# Altium PCB POWER_SUPPLY_220V.PcbDoc
Units mm, origin at the board's own origin, x right, y up, seen from the top; angles counter-clockwise.
Board outline 82.83 x 55 mm, 2 copper layers (Top Layer, Bottom Layer), stack 1.071 mm thick; 81 components, 39 nets, 176 pads, 35 vias.
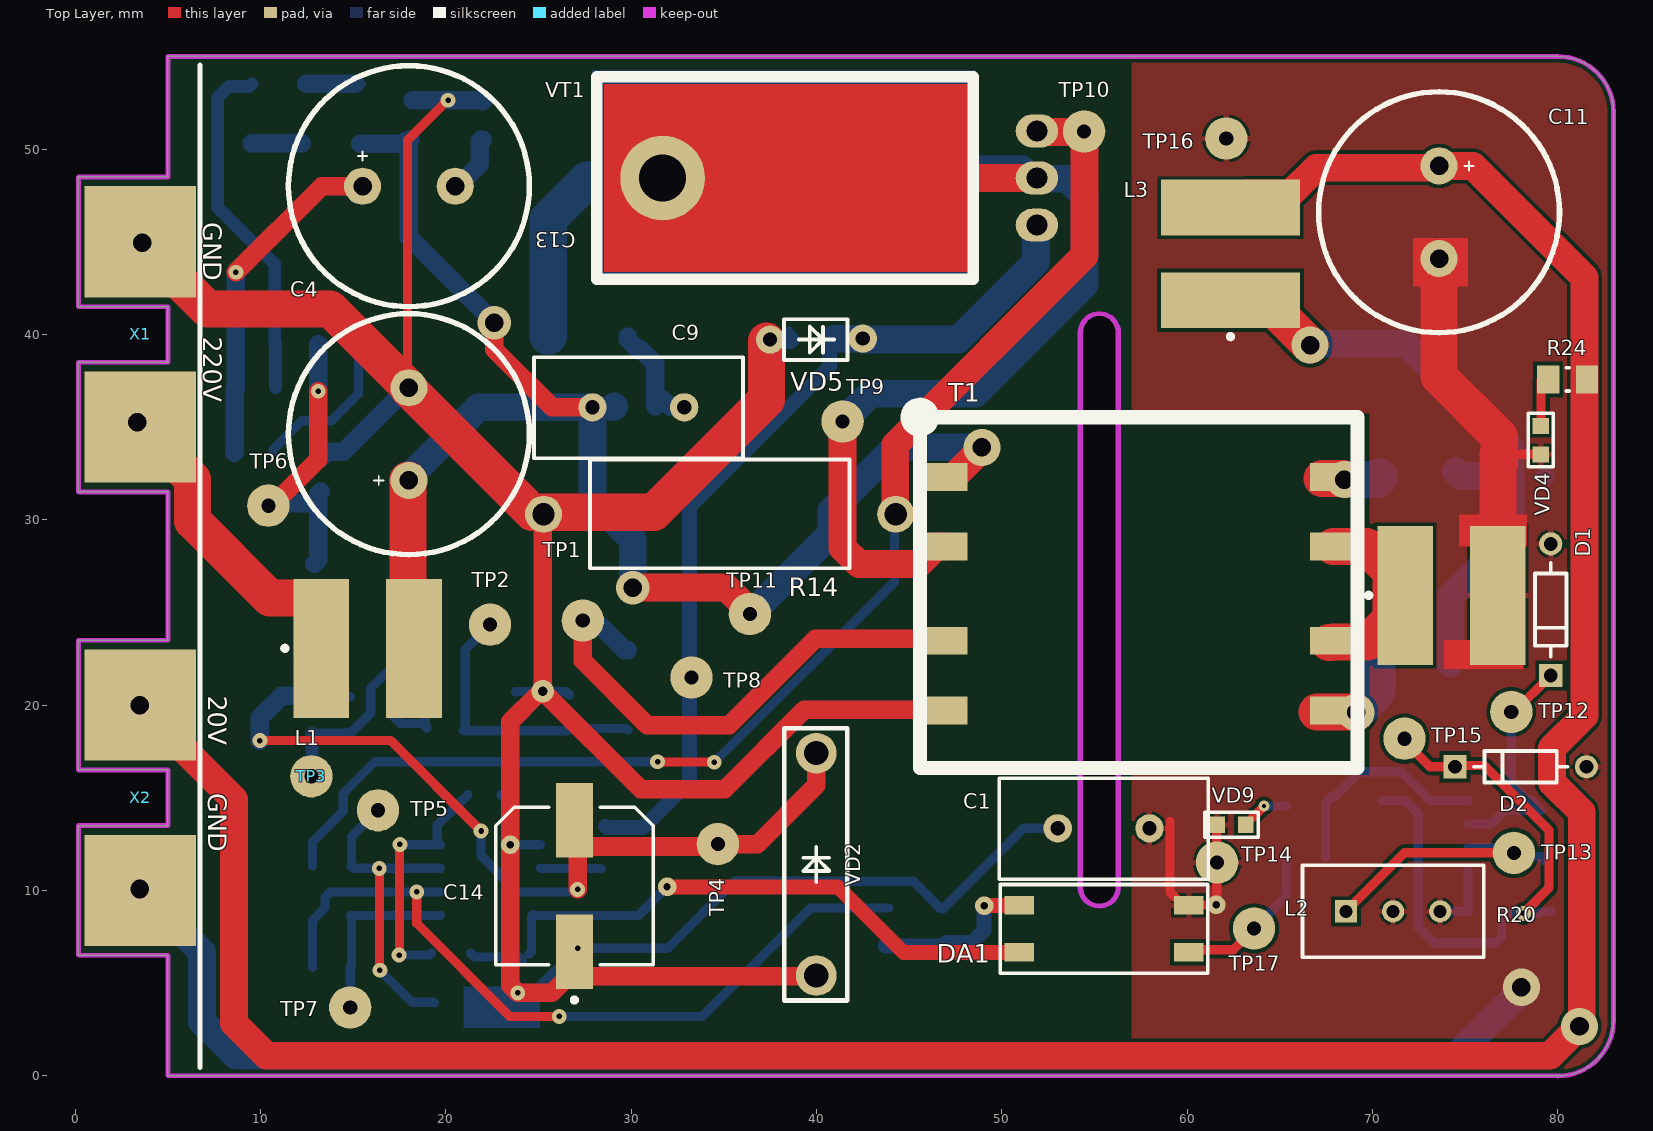
[diagram p0: Top Layer view]
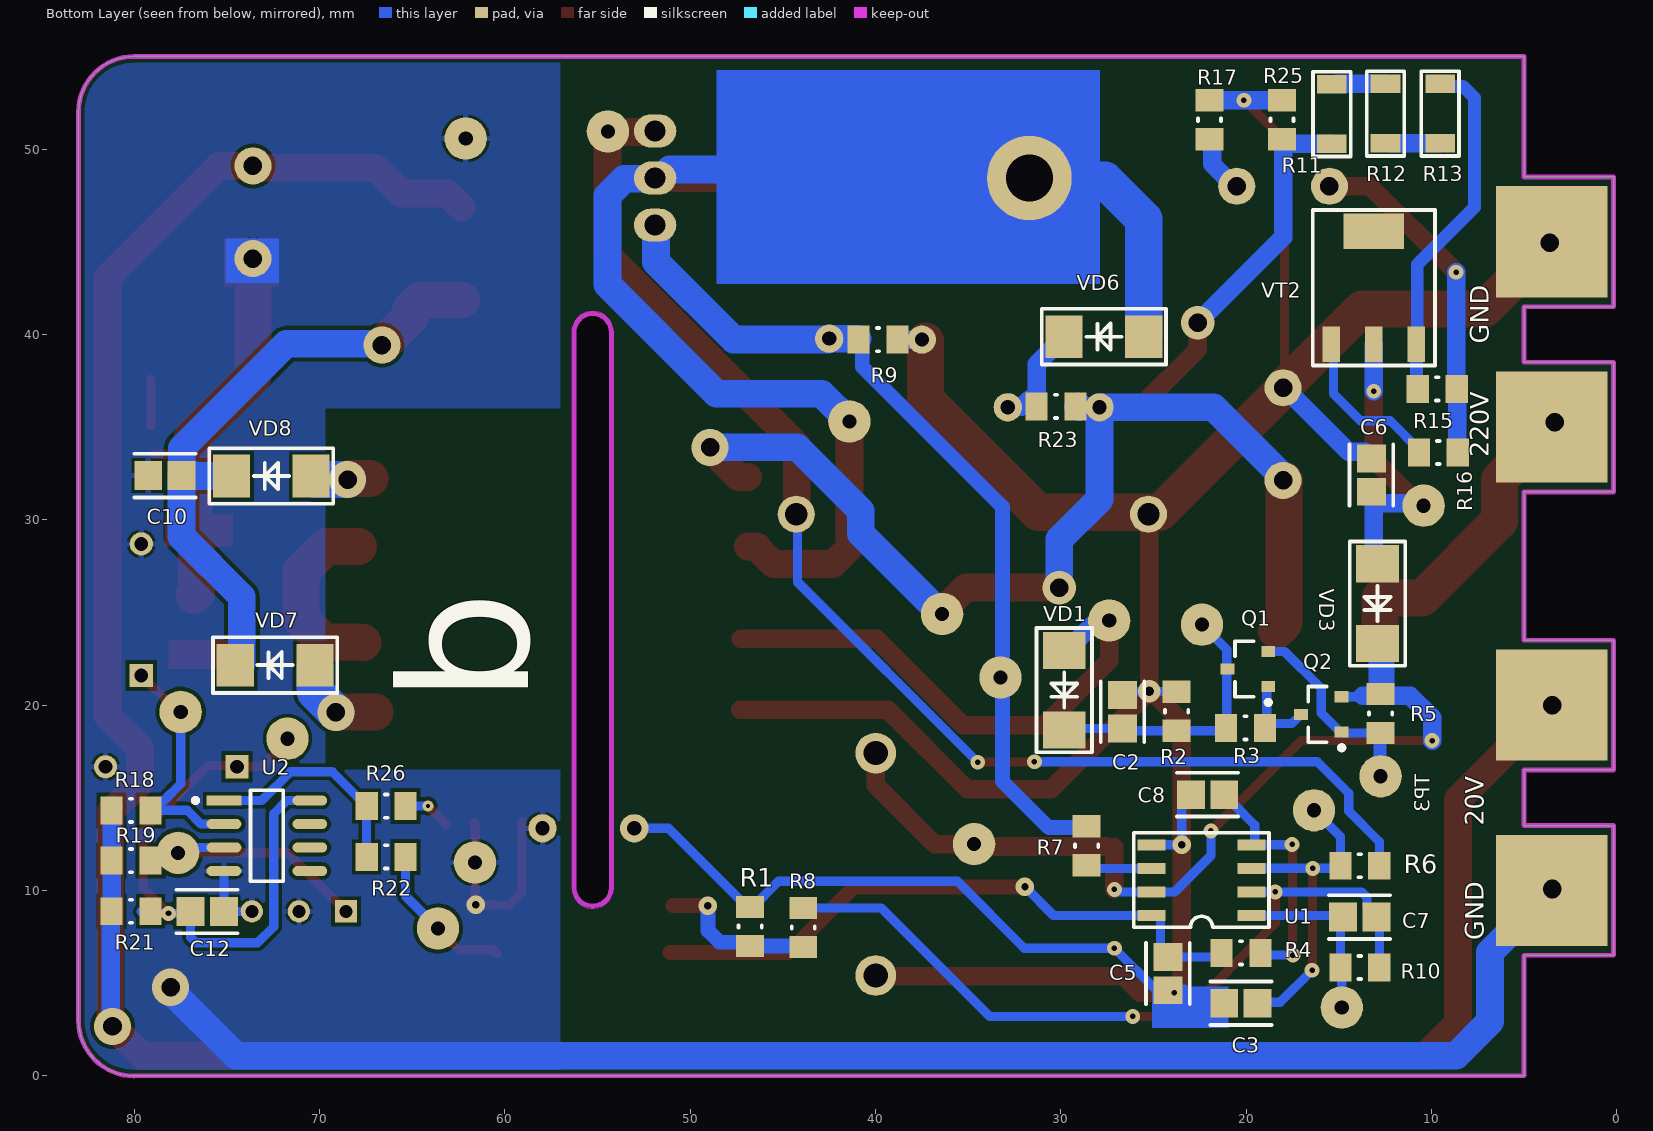
[diagram p1: Bottom Layer view, seen from below]
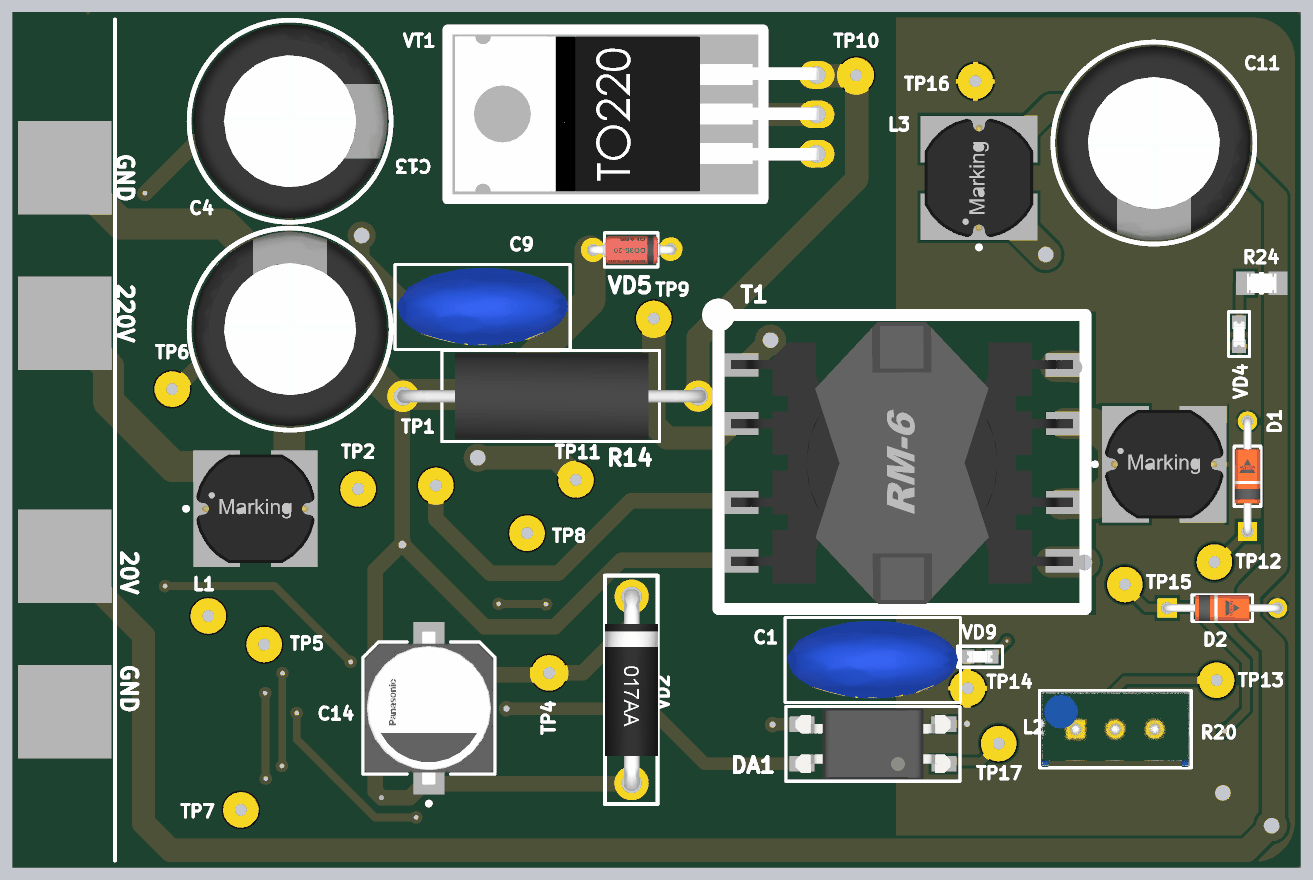
[diagram p2: 3D render of the assembled board from above, using the file's embedded part models]
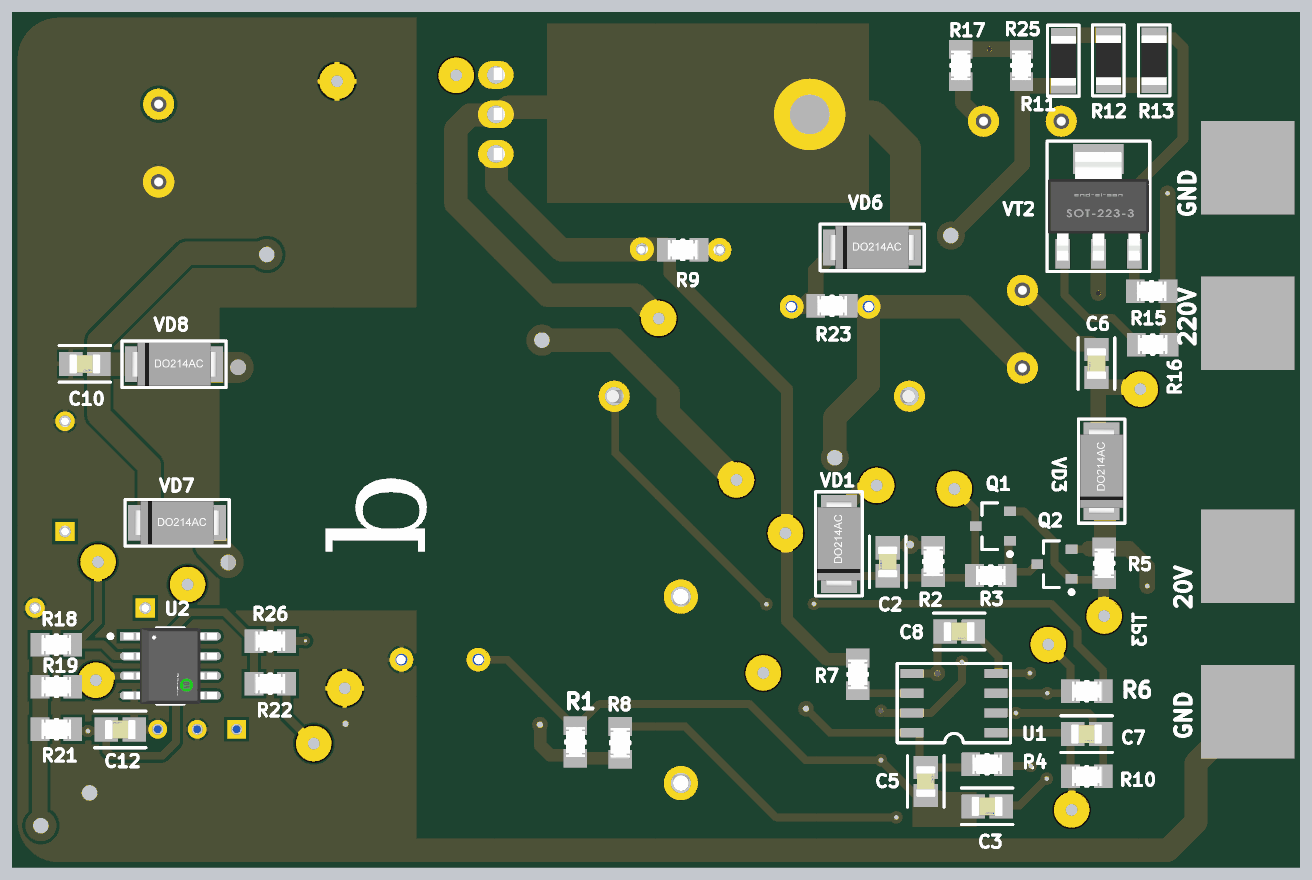
[diagram p3: 3D render of the assembled board from below, using the file's embedded part models]

## Layer stack, top to bottom
Top Solder: solder mask 0.0102, Solder Resist, Dk 3.5
Top Layer: signal copper 0.0356
Dielectric 1: dielectric 1, FR-4, Dk 4.8
Bottom Layer: signal copper 0.0356
Bottom Solder: solder mask 0.0102, Solder Resist, Dk 3.5

## Board outline
0.17,6.5 5,6.5 5,0 6.283,0 6.299,0 80.009,0 80,0 ccw(c80,3) 83,3 83,51.968 83,52 ccw(c80,52) 80,55 5,55 5,48.5 0.17,48.5 0.17,41.5 5,41.5 5,38.5 0.17,38.5 0.17,31.5 5,31.5 5,23.5 0.17,23.5 0.17,16.5 5,16.5 5,13.5 0.17,13.5
cut-out: 54.128,10.177 54.128,26.165 cw(c54.253,26.192) 54.125,26.192 54.125,40.092 cw(c54.253,40.092) 54.128,40.119 cw(c55.255,40.113) 56.383,40.113 cw(c56.256,40.113) 56.382,40.098 56.382,10.249 cw(c56.255,10.249) 56.374,10.206 cw(c56.255,10.163) 56.382,10.163 cw(c55.255,10.163) 54.128,10.117 cw(c55.256,10.163) 54.127,10.163 cw(c54.255,10.163)

## Design rules (kind name [scope] priority, off if disabled: settings)
Clearance [All] p1: gap=0.2 ignorepadtopadclearanceinfootprint=FALSE
DiffPairsRouting [All] p1: maxlimit=0.254 minlimit=0.254 mostfreqgap=0.254 substack1={A23D90DD-733B-49C5-8102-56B3D284E3A0} toplayer_{a23d90dd-733b-49c5-8102-56b3d284e3a0}_minwidth=0.381 toplayer_{a23d90dd-733b-49c5-8102-56b3d284e3a0}_maxwidth=0.381 toplayer_{a23d90dd-733b-49c5-8102-56b3d284e3a0}_prefwidth=0.381 bottomlayer_{a23d90dd-733b-49c5-8102-56b3d284e3a0}_minwidth=0.381 bottomlayer_{a23d90dd-733b-49c5-8102-56b3d284e3a0}_maxwidth=0.381 bottomlayer_{a23d90dd-733b-49c5-8102-56b3d284e3a0}_prefwidth=0.381 toplayer_minwidth=0.381 toplayer_maxwidth=0.381 toplayer_prefwidth=0.381 bottomlayer_minwidth=0.381 bottomlayer_maxwidth=0.381 bottomlayer_prefwidth=0.381 substack2={0B3DB408-A969-412D-8C07-BA8AE97219D9} toplayer_{0b3db408-a969-412d-8c07-ba8ae97219d9}_minwidth=0.381 toplayer_{0b3db408-a969-412d-8c07-ba8ae97219d9}_maxwidth=0.381 toplayer_{0b3db408-a969-412d-8c07-ba8ae97219d9}_prefwidth=0.381 bottomlayer_{0b3db408-a969-412d-8c07-ba8ae97219d9}_minwidth=0.381 bottomlayer_{0b3db408-a969-412d-8c07-ba8ae97219d9}_maxwidth=0.381 bottomlayer_{0b3db408-a969-412d-8c07-ba8ae97219d9}_prefwidth=0.381 substack3={378827E6-B38F-4565-9D2F-710D8D441C30} toplayer_{378827e6-b38f-4565-9d2f-710d8d441c30}_minwidth=0.381 toplayer_{378827e6-b38f-4565-9d2f-710d8d441c30}_maxwidth=0.381 toplayer_{378827e6-b38f-4565-9d2f-710d8d441c30}_prefwidth=0.381 bottomlayer_{378827e6-b38f-4565-9d2f-710d8d441c30}_minwidth=0.381 bottomlayer_{378827e6-b38f-4565-9d2f-710d8d441c30}_maxwidth=0.381 bottomlayer_{378827e6-b38f-4565-9d2f-710d8d441c30}_prefwidth=0.381 substack4={1E65D4A7-266F-4925-B814-5E9C4A66F8EE} toplayer_{1e65d4a7-266f-4925-b814-5e9c4a66f8ee}_minwidth=0.381 toplayer_{1e65d4a7-266f-4925-b814-5e9c4a66f8ee}_maxwidth=0.381 toplayer_{1e65d4a7-266f-4925-b814-5e9c4a66f8ee}_prefwidth=0.381 bottomlayer_{1e65d4a7-266f-4925-b814-5e9c4a66f8ee}_minwidth=0.381 bottomlayer_{1e65d4a7-266f-4925-b814-5e9c4a66f8ee}_maxwidth=0.381 bottomlayer_{1e65d4a7-266f-4925-b814-5e9c4a66f8ee}_prefwidth=0.381 substack5={93C5D03E-862D-45F8-9871-970EEA9B3F11} toplayer_{93c5d03e-862d-45f8-9871-970eea9b3f11}_minwidth=0.381 toplayer_{93c5d03e-862d-45f8-9871-970eea9b3f11}_maxwidth=0.381 toplayer_{93c5d03e-862d-45f8-9871-970eea9b3f11}_prefwidth=0.381 bottomlayer_{93c5d03e-862d-45f8-9871-970eea9b3f11}_minwidth=0.381 bottomlayer_{93c5d03e-862d-45f8-9871-970eea9b3f11}_maxwidth=0.381 bottomlayer_{93c5d03e-862d-45f8-9871-970eea9b3f11}_prefwidth=0.381 maxuncoupledlength=12.7
HoleSize [All] p1: absolutevalues=TRUE maxlimit=6 minlimit=0.01 maxpercent=80.000 minpercent=20.000
HoleToHoleClearance [All] p1: gap=0.1 allowstackedmicrovias=TRUE
MinimumSolderMaskSliver [All] p1: minsoldermaskwidth=0.1
PlaneConnect [All] p1: pad.planeconnectstyle=Relief pad.reliefexpansion=0.5 pad.reliefentries=4 pad.reliefconductorwidth=0.5 pad.reliefairgap=0.15 via.planeconnectstyle=Direct via.reliefexpansion=0.5 via.reliefentries=4 via.reliefconductorwidth=0.5 via.reliefairgap=0.15
PolygonConnect VQFN20 [HasFootprint('VQFN20')] p1: connectstyle=Direct reliefconductorwidth=0.254 reliefentries=4 polygonreliefangle="90 Angle" airgapwidth=0.254
PolygonConnect [All] p2: thpad.connectstyle=Relief thpad.reliefconductorwidth=0.3 thpad.reliefentries=4 thpad.polygonreliefangle="90 Angle" thpad.airgapwidth=0.15 smdpad.connectstyle=Relief smdpad.reliefconductorwidth=0.3 smdpad.reliefentries=4 smdpad.polygonreliefangle="90 Angle" smdpad.airgapwidth=0.15 via.connectstyle=Direct via.reliefconductorwidth=0.3 via.reliefentries=4 via.polygonreliefangle="90 Angle" via.airgapwidth=0.15
RoutingVias [All] p1: holewidth=0.1 width=0.1 viastyle="Through Hole" minholewidth=0 minwidth=0.3 maxholewidth=2 maxwidth=4
ShortCircuit [All] p1: allowed=TRUE
SilkToSolderMaskClearance [IsPad] p1: minsilkscreentomaskgap=0.1 clearancetoexposedcopper=TRUE
SolderMaskExpansion SolderMaskExpansion_Via [IsVia] p1: expansion=0.102 istentingtop=TRUE
SolderMaskExpansion [All] p2: expansion=0.01 istentingtop=FALSE
UnRoutedNet [All] p1: checkbadconnections=TRUE
Width [All] p1: maxlimit=5 minlimit=0.2 preferedwidth=0.3 substack1={A23D90DD-733B-49C5-8102-56B3D284E3A0} substack2={0B3DB408-A969-412D-8C07-BA8AE97219D9} substack3={378827E6-B38F-4565-9D2F-710D8D441C30} substack4={1E65D4A7-266F-4925-B814-5E9C4A66F8EE} substack5={93C5D03E-862D-45F8-9871-970EEA9B3F11}
22 further rules are at their usual default settings.

## Components (designator, comment, footprint, x,y, rotation, side; value= is the part's Value field where it differs from the comment)
C1 "CAP-V" CAP-V 55.485,13.352 r180 top locked
C2 "50V 1uF" FP-C0805C-DN-IPC_A 26.668,19.641 r90 bottom value="0.22 μF"
C3 "50V 47pF" FP-C0805C-DN-IPC_A 20.271,3.912 r0 bottom value="0.22 μF"
C4 "25V 2200uF" CAPPOL-12x25 18,34.62 r90 top locked
C5 "50V 10nF" FP-C0805C-DN-IPC_A 24.218,5.514 r270 bottom value="0.22 μF"
C6 "50V 1uF" FP-C0805C-DN-IPC_A 13.233,32.41 r90 bottom value="0.22 μF"
C7 "50V 10nF" FP-C0805C-DN-IPC_A 13.868,8.562 r0 bottom value="0.22 μF"
C8 "50V 1uF" FP-C0805C-DN-IPC_A 22.073,15.164 r0 bottom value="0.22 μF"
C9 "CAP-V" CAP-V 30.378,36.068 r180 top
C10 "50V 1uF" FP-C0805C-DN-IPC_A 78.334,32.385 r0 bottom value="0.22 μF"
C11 "25V 2200uF" CAPPOL-12x25 73.584,46.594 r270 top locked
C12 "50V 1uF" FP-C0805C-DN-IPC_A 76.054,8.86 r180 bottom value="0.22 μF"
C13 "450V 10uF" CAPPOL-12x25 18,48 r0 top locked
C14 "EEE-1HA101UP" FP-SF-MFG 26.931,10.238 r90 top value=100uF
D1 "BZX55B5V2-TAP" FP-SB-V-3906_04-031_4-MFG 79.61,25.146 r90 top
D2 "BZX55B8V2-TAP" FP-SB-V-3906_04-031_4-MFG 77.988,16.673 r0 top locked
DA1 "PC817" 4-SMD 55.508,7.925 r180 top locked
L1 "470µH, 0.36A" WE-PD2_7850 15.773,23.063 r0 top
L2 "470µH, 0.36A" WE-PD2_7850 74.256,25.921 r0 top locked
L3 "470µH, 0.36A" WE-PD2_7850 62.332,44.348 r90 top
Q1 "BC847C" INF-SOT23_L 19.9,21.943 r0 bottom
Q2 "BC847C" INF-SOT23_L 15.937,19.499 r0 bottom
R1 "1k" Vishay_CRCW0805-e3_IPC_A 46.761,8.052 r270 bottom
R2 "1k" Vishay_CRCW0805-e3_IPC_A 23.747,19.67 r270 bottom
R3 "1k" Vishay_CRCW0805-e3_IPC_A 20.027,18.765 r180 bottom
R4 "1K" Vishay_CRCW0805-e3_IPC_A 20.271,6.625 r180 bottom
R5 "20Ω" Vishay_CRCW0805-e3_IPC_A 12.737,19.546 r90 bottom
R6 "1K" Vishay_CRCW0805-e3_IPC_A 13.855,11.33 r180 bottom
R7 "22" Vishay_CRCW0805-e3_IPC_A 28.602,12.408 r90 bottom
R8 "3,9K" Vishay_CRCW0805-e3_IPC_A 43.891,8.001 r270 bottom
R9 "10K" Vishay_CRCW0805-e3_IPC_A 39.858,39.721 r180 bottom
R10 "100K" Vishay_CRCW0805-e3_IPC_A 13.855,5.842 r180 bottom
R11 "RES-CONST" RES-1206 15.367,51.892 r270 bottom
R12 "RES-CONST" RES-1206 12.471,51.918 r90 bottom
R13 "RES-CONST" RES-1206 9.525,51.918 r270 bottom
R14 "RES-CONST" RES-2W 34.768,30.302 r0 top locked
R15 "10k" Vishay_CRCW0805-e3_IPC_A 9.69,37.059 r0 bottom
R16 "1k" Vishay_CRCW0805-e3_IPC_A 9.617,33.63 r0 bottom
R17 "200Ω" Vishay_CRCW0805-e3_IPC_A 21.971,51.587 r90 bottom
R18 "1k" Vishay_CRCW0805-e3_IPC_A 80.162,14.321 r0 bottom
R19 "1k" Vishay_CRCW0805-e3_IPC_A 80.162,11.608 r0 bottom
R20 "3296W-1-202LF" Bourns_3296W_MFG 71.103,8.875 r270 top
R21 "1k" Vishay_CRCW0805-e3_IPC_A 80.162,8.875 r0 bottom
R22 "1k" Vishay_CRCW0805-e3_IPC_A 66.402,11.806 r0 bottom
R23 "22K" Vishay_CRCW0805-e3_IPC_A 30.251,36.114 r0 bottom
R24 "2.7K" Vishay_CRCW0805-e3_IPC_A 80.518,37.571 r180 top
R25 "1M" Vishay_CRCW0805-e3_IPC_A 18.059,51.587 r90 bottom
R26 "1k" Vishay_CRCW0805-e3_IPC_A 66.402,14.549 r180 bottom
T1 "TRANS_RM6" TRANS_RM6 57.379,26.01 r0 top locked value=XX
TP1 "Test_Point_PCB" Test_Point#1 27.381,24.562 r0 top
TP2 "Test_Point_PCB" Test_Point#1 22.377,24.339 r180 top
TP3 "Test_Point_PCB" Test_Point#1 12.737,16.16 r180 top
TP4 "Test_Point_PCB" Test_Point#1 34.671,12.497 r180 top
TP5 "Test_Point_PCB" Test_Point#1 16.332,14.326 r0 top
TP6 "Test_Point_PCB" Test_Point#1 10.414,30.759 r0 top
TP7 "Test_Point_PCB" Test_Point#1 14.834,3.683 r0 top
TP8 "Test_Point_PCB" Test_Point#1 33.249,21.488 r0 top
TP9 "Test_Point_PCB" Test_Point#1 41.402,35.306 r0 top
TP10 "Test_Point_PCB" Test_Point#1 54.432,50.952 r0 top
TP11 "Test_Point_PCB" Test_Point#1 36.398,24.913 r0 top
TP12 "Test_Point_PCB" Test_Point#1 77.482,19.634 r0 top
TP13 "Test_Point_PCB" Test_Point#1 77.622,12.027 r0 top
TP14 "Test_Point_PCB" Test_Point#2 61.607,11.506 r0 top
TP15 "Test_Point_PCB" Test_Point#1 71.72,18.186 r0 top
TP16 "Test_Point_PCB" Test_Point#2 62.103,50.571 r0 top
TP17 "Test_Point_PCB" Test_Point#1 63.602,7.95 r0 top locked
U1 "UC3842B" SOIC8-150 22.406,10.555 r0 bottom
U2 "LM358DR2G" FP-751-07-IPC_C 72.833,12.949 r180 bottom
VD1 "DIODE" "DO-214AC, SMA" 29.806,20.804 r90 bottom
VD2 "ZENER" 017AA 39.98,11.408 r270 top locked
VD3 "DIODE" "DO-214AC, SMA" 12.903,25.476 r90 bottom
VD4 "LED" LED-0603 79.07,34.29 r90 top
VD5 "15V" DO-35 39.989,39.721 r180 top
VD6 "DIODE" "DO-214AC, SMA" 27.669,39.879 r180 bottom
VD7 "DIODE" "DO-214AC, SMA" 72.391,22.158 r180 bottom
VD8 "DIODE" "DO-214AC, SMA" 72.593,32.36 r180 bottom
VD9 "LED" LED-0603 62.382,13.541 r0 top
VT1 "MOSFET-N-GDS" TO-220(bend2) 40.707,48.184 r90 top locked value="200V 18A"
VT2 "BIPOLAR-PNP-BCE" SOT-223-3 13.106,42.52 r180 bottom
X1 "CONN-2-PIN" CONN 3.5,40 r270 top locked
X2 "CONN-2-PIN" CONN 3.5,15 r270 top locked

## Footprints (in the part's own frame and the unit in brackets; to place one, negate y for a bottom-side part, rotate by r counter-clockwise, add the part's x,y. Pads: shape width x height; smd on the part's side, far side on the other; paste and mask are expansions set on the pad)
4-SMD [mm]
  rect 1.6x1 smd: 1(-4.575,1.27) 2(-4.575,-1.27) 3(4.575,-1.27) 4(4.575,1.27)
  silkscreen extent -5.6,-2.4 5.6,2.4, body extent -5,-2.29 5,2.29, height 3.85
017AA [mm]
  round 2.2 hole 1.3: 1(-6,0) 2(6,0)
  silkscreen extent -7.35,-1.73 7.35,1.68, body extent -6.5,-1.7 6.5,1.7, height 4.4
Bourns_3296W_MFG [mm]
  rect 1.2x1.2 hole 0.7 paste-1000 mask+0: 1(0.005,-2.54)
  round 1.2 hole 0.7 paste-1000 mask+0: 2(0.005,0) 3(0.005,2.54)
  silkscreen extent -2.48,-4.89 2.48,4.89, body extent -2.58,-4.99 2.58,4.99, height 0.25
CAP-V [mil]
  round 60 hole 30: 1(-97.44,0) 2(97.44,0)
  silkscreen extent -222,-106 221,108, body extent -216,-98 216,98, height 610
CAPPOL-12x25 [mm]
  round 2 hole 1: 1(-2.5,0) 2(2.5,0)
  silkscreen extent -6.5,-6.5 6.5,6.5, body extent -6.25,-6.25 6.25,6.25, height 25
CONN [mm]
  rect 6x6 smd: 1(-5,0) 2(5,0)
  rect 6x6 smd far side: 1(-5,0) 2(5,0)
DO-35 [mil]
  round 60 hole 30: 1(-98.43,-1.97) 2(98.43,0)
  silkscreen extent -66,-43 69,43, body extent -111,-35 111,35, height 72
"DO-214AC, SMA" [mm]
  rect 2x2.3 smd: 1(-2.15,0) 2(2.15,0)
  silkscreen extent -3.35,-1.5 3.35,1.5, body extent -2.74,-1.4 2.74,1.4, height 2.24
FP-751-07-IPC_C [mm]
  rect 1.874x0.543 smd paste+0 mask+0: 1(-2.316,1.905)
  rrect100% 1.874x0.543 smd paste+0 mask+0: 2(-2.316,0.635) 3(-2.316,-0.635) 4(-2.316,-1.905) 5(2.316,-1.905) 6(2.316,-0.635) 7(2.316,0.635) 8(2.316,1.905)
  silkscreen extent -3.98,-2.45 0.88,2.45, body extent -3,-2.45 3,2.45, height 1.75
FP-C0805C-DN-IPC_A [mm]
  rect 1.505x1.556 smd paste+0 mask+0: 1(-0.901,0) 2(0.901,0)
  silkscreen extent -1.65,-1.18 1.65,1.18, body extent -1,-0.63 1,0.63, height 0.88
FP-SB-V-3906_04-031_4-MFG [mm]
  rect 1.25x1.25 hole 0.75 paste-1000 mask+0: 1(-3.55,0)
  round 1.25 hole 0.75 paste-1000 mask+0: 2(3.55,0)
  silkscreen extent -2.52,-0.85 2.52,0.85, body extent -4.28,-0.95 4.28,0.95, height 0.25
FP-SF-MFG [mm]
  rect 4x2 smd paste+0 mask+0: 1(-3.55,0) 2(3.55,0)
  silkscreen extent -6.27,-4.25 4.25,4.25, body extent -5.8,-4.5 5.8,4.5, height 0.25
INF-SOT23_L [mm] "SOT23, 3-Leads, Body 2.9x1.3 mm, Pitch 0.95 mm, IPC High Density"
  rect 0.75x0.6 smd: 1(-1.1,0.95) 2(-1.1,-0.95) 3(1.1,0)
  silkscreen extent -1.22,-1.5 0.7,1.92, body extent -0.7,-1.5 0.7,1.5, height 1.1
LED-0603 [mm]
  rect 0.85x0.9 smd: 1(-0.775,0) 2(0.775,0)
  silkscreen extent -1.43,-0.67 1.45,0.67, body extent -0.83,-0.36 0.82,0.36, height 0.68
RES-2W [mm]
  round 2 hole 1.2: 1(-9.5,0) 2(9.5,0)
  silkscreen extent -7,-2.93 7,2.95, body extent -9.86,-2.79 10.01,2.79, height 5.59
RES-1206 [mm]
  rect 1x1.6 smd: 1(-1.6,0) 2(1.6,0)
  silkscreen extent -2.29,-1.02 2.29,1.02, body extent -1.6,-0.8 1.6,0.8, height 0.6
SOIC8-150 [mm]
  rect 1.5x0.6 smd: 1(-2.7,1.905) 2(-2.7,0.635) 3(-2.7,-0.635) 4(-2.7,-1.905) 5(2.7,-1.905) 6(2.7,-0.635) 7(2.7,0.635) 8(2.7,1.905)
  silkscreen extent -3.65,-2.55 3.65,2.55, body extent -3,-2.45 3,2.45, height 1.75
SOT-223-3 [mm]
  rect 0.95x1.9 smd: 1(-2.3,-3.05) 2(0,-3.05) 3(2.3,-3.05)
  rect 3.25x1.9 smd: 4(0,3.05)
  silkscreen extent -3.3,-4.2 3.3,4.2, body extent -3.25,-3.5 3.25,3.5, height 1.7
Test_Point#1 [mil]
  round 90 hole 30 paste+4 mask+4: 1(0,0)
Test_Point#2 [mil]
  round 90 hole 30 unplated paste+4 mask+4: 1(0,0)
TO-220(bend2) [mil]
  oval 70x90 hole 45: 1(-90,-440) 2(10,-440) 3(110,-440)
  round 180 hole 100: 2(10,355)
  Top Layer region: -190,-300 210,-300 210,480 -190,480
  Bottom Layer region: -215,-310 240,-310 240,505 -215,505
  silkscreen extent -205,-305 225,495, body extent -185,-446 208,476, height 179
TRANS_RM6 [mm]
  rect 2.5x1.5 smd: 1(-10.5,6.3) 2(-10.5,2.54) 3(-10.5,-2.54) 4(-10.5,-6.3) 5(10.5,-6.3) 6(10.5,-2.54) 7(10.5,2.54) 8(10.5,6.3)
  silkscreen extent -12.51,-9.4 11.81,10.22, body extent -11,-9.08 11,9.08, height 12.68
Vishay_CRCW0805-e3_IPC_A [mil]
  rect 47.5x59.38 smd paste+0 mask+0: 1(-41.37,0) 2(41.37,0)
  silkscreen extent -3,-25 3,25, body extent -39,-25 39,25, height 20
WE-PD2_7850 [mm] "SMD Power Inductor, 2-Leads, body 7.8x7mm"
  rect 3x7.5 smd: 1(-2.5,0) 2(2.5,0)
  silkscreen extent -4.59,-0.12 -4.34,0.12, body extent -3.81,-3.5 3.81,3.5, height 4.95

## Part data
C2 C3 C5 C6 C7 C8 C10 C12: library part CMP-1036-04552-2, "CAP CER 0.22UF 50V X7R 0805", Capacitance="0.22 μF", Manufacturer=KEMET, Manufacturer Part Number=C0805C224K5RACTU, Package=C0805C-DN, Temperature="-55°C to +125°C", Temperature Characteristic=X7R, Temperature Coefficient=30ppm/°C, Temperature Range High=+125°C, Temperature Range Low=-55°C, Tolerance=0.1, Voltage Rating="50 V", Automotive=No, Category=Cap, ComponentLink2Description=Datasheet, ComponentLink2URL=https://content.kemet.com/datasheets/KEM_C1003_C0G_SMD.pdf, Device Class L1="Passive Components", Device Class L2=Capacitors, Device Class L3="Ceramic Capacitors", Digikey Description="CAP CER 0.22UF 50V X7R 0805", Height=0.88mm, Ipc Land Pattern Name=CAPC200125X78, Lead Free=Yes, Material=Ceramic, Mouser Description="CAP CER 0.22UF 50V X7R 0805", Octopart=https://octopart.com/c0805c224k5ractu-kemet-144670, RoHS=TRUE
C4 C11 C13: library part CAP-POLAR
C14: library part CMP-05427-000015-1, "CAP ALUM 100UF 20% 50V SMD", Capacitance=100uF, Leakage Current=100uA, Manufacturer=Panasonic, Package=SF, Ripple Current=200mA, Temperature="-40°C to +85°C", Temperature Range High=+85°C, Temperature Range Low=-40°C, Tolerance=20%, Voltage=50V, Automotive=Yes, Automotive Grade="Grade 3", Category=Cap, ComponentLink2Description=Datasheet, ComponentLink2URL=https://industrial.panasonic.com/cdbs/www-data/pdf/RDE0000/ABA0000C1145.pdf, Device Class L1="Passive Components", Device Class L2=Capacitors, Device Class L3="Aluminum Electrolytic Capacitors", Digikey Description="CAP ALUM 100UF 20% 50V SMD", Dissipation Factor=0.12%, Height=10.5mm, Lead Free=Yes, Life=2000Hours, Manufacturer Part Number=EEE-1HA101UP, Material=Aluminum, Mouser Description="Cap Aluminum Lytic 100uF 50V 20% (8 X 10.2mm) SMD 200mA 2000h 85C Automotive T/R", Octopart=https://octopart.com/eee-1ha101up-panasonic-55396734, RoHS=TRUE, Voltage Rating=50V
D1 D2: library part CMP-02541-000026-1, "DIODE ZENER 8.2V 500MW DO35", Case/Package=DO-35, Max Operating Temperature=175°C, Max Power Dissipation=500mW, Max Reverse Leakage Current=100nA, Min Operating Temperature=-65°C, Package Quantity=30000, Test Current=5mA, Tolerance=2%, Zener Voltage=8.2V, Contact Plating=Tin, Element Configuration=Single, ESD Protection=No, Impedance=7R, Lead Free="Lead Free", Mount="Through Hole", Number of Pins=2, Packaging="Ammo Pack", Power Dissipation=500mW, Radiation Hardening=No, RoHS Compliant=Yes, Series="Automotive, AEC-Q101", Voltage Tolerance=2%
L1 L2 L3: library part 744775247, "WE-PD2 SMT Power Inductor, size 7850, 470µH, 0.36A, 1.96Ω", Case/Size Code=7850, DC Resistance=1.37Ω, DC Resistance Max=1.96Ω, Inductance=470µH, Manufacturer="Wurth Elektronik", Operating Temperature Max=125°C, Operating Temperature Min=-40°C, Rated Current=0.36A, Saturation Current=0.38A, Self Resonant Frequency=3.4MHz, Category="Unshielded Power Inductors", ComponentLink1Description="Website Link", ComponentLink1URL=https://www.we-online.com/redexpert/article/744775247?ad, ComponentLink2Description="Datasheet Link", ComponentLink2URL=https://www.we-online.com/redexpert/spec/744775247?ad, Height=4.95mm, Length=7.8mm, Manufacturer Part Number=744775247, Match Code=WE-PD2, Mount="Surface Mount", Packaging="Tape and Reel", Width=7mm
Q1 Q2: "NPN Silicon AF Transistor, 45 V VCEO, 100 mA IC, SOT23, Reel, Green", Manufacturer=Infineon, ComponentLink1Description="Manufacturer URL", ComponentLink1URL=http://www.infineon.com/, ComponentLink2Description=Datasheet, ComponentLink2URL=http://www.infineon.com/dgdl/bc847series_bc848series_bc849series_bc850series.pdf?folderId=db3a304314dca389011541d30fa21656&fileId=db3a304314dca389011541d4630a1657, ComponentLink3Description="Package Specification", ComponentLink3URL=http://www.infineon.com/dgdl/SOT23-Package_Overview.pdf?folderId=db3a30431936bc4b0119532290053c66&fileId=db3a30431936bc4b0119533468123c85, fT (typ)="250Â MHz", Green=TRUE, IBM (max)="200Â mA", IC (max)="100Â mA", ICBO (max)="15Â nA", ICM (max)="200Â mA", Mounting Technology="Surface Mount", PackageDescription="3-Pin Small Outline Transistor Package, 1.3 x 2.9 mm Body, 0.95 mm Pitch", PackageReference=SOT23, PackageVersion=Apr-08, Packing=Reel, PartNumber=BC847C, Polarity=NPN, Ptot (max)="330Â mW", VCBO (max)="50Â V", VCEO (max)="45Â V", VEBO (max)="6Â V"
R1 R2 R3 R5 R8 R10 R15 R16 R17 R18 R19 R21 R22 R23 R25 R26: library part CRCW08050000Z0EA
R4 R6 R7 R9 R24: library part CRCW08050000Z0EA, "100K"
T1: library part 4, Part Number=4, №=4
TP1 TP2 TP3 TP4 TP5 TP6 TP7 TP8 TP9 TP10 TP11 TP12 TP13 TP14 TP15 TP16 TP17: library part TP_PCB?, "Test_Point"
U2: library part CMP-1310-00291-2, "IC OPAMP GP 2 CIRCUIT 8SOIC", Case/Package=SOIC, Dual Supply Voltage=9V, Input Bias Current=250nA, Input Offset Voltage (Vos)=7mV, Max Dual Supply Voltage=16V, Max Operating Temperature=70°C, Max Supply Voltage=32V, Min Dual Supply Voltage=1.5V, Min Operating Temperature=0°C, Min Supply Voltage=3V, Nominal Supply Current=1.2mA, Operating Supply Current=1.5mA, Output Current=40mA, Package Quantity=2500, Power Supply Rejection Ratio (PSRR)=65dB, Voltage Gain=100dB, Bandwidth=1MHz, Common Mode Rejection Ratio=65dB, Contact Plating=Tin, Gain Bandwidth Product=1MHz, Halogen Free="Halogen Free", Height=1.5mm, Lead Free="Lead Free", Length=5mm, Number of Amplifiers=2, Number of Channels=2, Number of Circuits=2, Number of Elements=2, Number of Pins=8, Operating Supply Voltage=16V, Output Current per Channel=40mA, Packaging="Tape and Reel", Radiation Hardening=No, REACH SVHC="No SVHC", Slew Rate=0.6V/µs, Width=4mm
VD5: library part ZENER
VT1: library part IRF640_, ID=T-0008, Part Number=IRF640_, №=8
U1: ID=I-0005, Part Number=UC3842B, №=5

## Via types
v1: diameter 0.8, hole 0.3, Top Layer to Bottom Layer, tented both sides, 17 vias
v2: diameter 2, hole 1, Top Layer to Bottom Layer, tented both sides, 10 vias
v3: diameter 1, hole 0.4, Top Layer to Bottom Layer, tented both sides, 4 vias
v4: diameter 1.8, hole 1, Top Layer to Bottom Layer, tented both sides, 2 vias
v5: diameter 0.6, hole 0.2, Top Layer to Bottom Layer, tented both sides, 1 vias
v6: diameter 1.2, hole 0.5, Top Layer to Bottom Layer, tented both sides, 1 vias

## Nets (pads, with @x,y where several pads share a name; then routed paths per layer and width w, separated by ;. In a path a pad name is that pad's centre, name@x,y a point inside that pad or via, vN(x,y) a via of type N, cw(c..) or ccw(c..) an arc to the next point about the centre after c; other vN are vias at no path point)
+20V: C11.1 L3.2 R18.2 R19.2 R21.2 R24.1 X2.1 | length 169.1
  Top Layer w1.5: v2(3.48,19.993) 3.507,19.993 6,17.5 6,17.473 8.566,14.907 8.566,2.832 10.322,1.077 79.571,1.077 81.161,2.667 v2(81.162,2.667) ; L3.2 63.082,47.598 65.575,47.598 66.973,48.997 73.132,48.997 73.135,48.999 73.484,48.999 C11.1@73.486,48.997 ; C11.1 75.41,49.094 81.432,43.072 81.432,19.429 79.68,17.677 79.68,15.824 81.28,14.224 81.28,3.138 81.258,3.116 v2@81.258,2.6
  Bottom Layer w1: R18.2@81.11,14.424 R18.2@81.11,14.575 ; v2(81.162,2.667) v2@81.221,2.726 ; R19.2 R21.2 81.247,8.842 v2@81.247,2.438 ; R19.2@81.213,12.125 R18.2
+350V: C4.1 C9.2 L1.2 R11.2 R23.1 R25.1 T1.1 TP11.1 | length 80.9
  Top Layer w1: v4(22.606,40.64) 22.606,39.192 25.73,36.068 C9.2
  Top Layer w1.5: v4@30.155,26.34 35.127,26.34 36.398,25.068 TP11.1 ; T1.1 47.379,32.31 48.92,33.851 v2(48.92,33.909)
  Top Layer w2: C4.1@17.915,32.12 17.946,32.151 17.946,24.442 L1.2@18.35,24.037
  Bottom Layer w1: R11.2 15.96,50.292 17.664,50.292 17.805,50.433 R25.1@18,50.433 ; R25.1 18,50.477 R25.1@18,50.433 ; v4(22.606,40.64) 18,45.246 R25.1@18,50.433 ; C9.2@27.908,36.073 R23.1@29.016,36.073
  Bottom Layer w1.5: C4.1 18,32.255 18.25,32.505 18.25,32.567 21.751,36.068 C9.2 ; C9.2@27.908,36.073 C9.2 ; R23.1@29.016,36.073 R23.1@29.058,36.114 ; v4(30.074,26.34) 30.074,28.931 27.903,31.101 C9.2 ; TP11.1@36.445,24.913 40.792,29.261 40.792,30.489 44.212,33.909 v2(48.92,33.909)
GND: C1.2 C2.2 C3.2 C4.2 C5.2 C6.2 C8.2 C14.1 R1.1 R2.1 R9.2 R14.1 R17.2 R25.2 T1.4 U1.5 VD2.2 VD5.2 X1.1 | length 187.8
  Top Layer w0.5: C4.2@17.921,37.199 17.921,50.485 v1@20.116,52.68
  Top Layer w1: R14.1@25.196,30.404 25.209,30.391 25.209,20.765 v6(25.222,20.752) ; C14.1@26.57,5.459 26.57,5.327 25.714,4.47 v1(23.876,4.47) 23.47,4.877 v3(23.47,12.466) 23.47,19.101 25.021,20.652 25.068,20.652 25.168,20.752 v6(25.222,20.752) ; C14.1@27.051,5.361 VD2.2@39.861,5.361 ; T1.4@47.29,19.754 39.338,19.754 35.052,15.469 30.505,15.469 v6(25.222,20.752)
  Top Layer w2: v2(3.607,44.958) 3.565,45 3.5,45 7.121,41.379 13.741,41.379 17.921,37.199 C4.2 ; C4.2@17.983,37.059 24.638,30.404 25.196,30.404 31.217,30.404 37.287,36.474 VD5.2@37.287,39.649
  Bottom Layer w0.5: C8.2 23.47,14.668 v3(23.47,12.466) 23.473,12.463 25.103,12.463 U1.5 ; R2.1 23.762,20.736 25.207,20.736 v6(25.222,20.752) ; C5.2@23.876,4.319 23.62,4.319 23.006,3.705 23.006,4.363 23.317,4.674 23.876,4.674 24.251,4.674 24.251,4.47 v1(23.876,4.47) ; C5.2@24.251,4.319 24.563,4.319 24.821,4.578 24.821,4.603 v1(27.102,6.883) 31.963,6.883 35.569,10.49 45.223,10.49 46.712,9.001 46.811,9.001 51.162,13.352 C1.2 ; v6@25.191,20.721 26.489,20.721 C2.2 ; R9.2@38.507,39.774 R9.2@38.507,40.172 ; R9.2@38.585,39.721 R9.2@38.639,39.774
  Bottom Layer w1: C6.2 13.59,33.667 14.468,33.667 C4.2@17.921,37.12 ; R25.2@18.219,52.638 v1(20.117,52.638) R17.2 22.036,52.638 R17.2@21.971,52.573 ; VD5.2 R9.2@38.585,39.721
GND_1: C1.1 C10.2 C11.2 C12.2 D1.2 D2.2 DA1.2 L2.2 R20.2 R20.3 TP14.1 TP16.1 U2.4 VD4.1 VD9.1 X2.2 | length 119
  Top Layer w0.5: 59.071,13.704 59.071,9.907 59.783,9.195 DA1.2 ; DA1.2@60.478,9.207 61.545,9.207 v3(61.557,9.22) 61.582,9.245 61.582,13.602 VD9.1@61.646,13.665 ; 76.756,33.528 VD4.1@78.919,33.528
  Top Layer w2: C11.2@73.584,43.968 C11.2 73.584,37.727 76.831,34.479 76.831,33.01 ; L2.2 76.626,26.051 76.626,29.283 76.495,29.413 76.62,29.413 76.756,29.55 76.756,33.528
  Bottom Layer w0.5: R20.3@73.901,8.86 C12.2 75.149,8.864 U2.4 ; C10.2 C10.2@79.311,32.309
  Bottom Layer w1: C10.2@79.299,32.321 C10.2@79.311,32.309
  Bottom Layer w1.5: X2.2@3.554,10.076 3.554,9.946 6.833,6.667 6.833,2.921 8.677,1.077 74.506,1.077 78.029,4.6 v2(78.029,4.775)
  other v2: 3.48,10.076
NetC2_1: C2.1 Q1.3 R2.2 R3.1 TP2.1 VD1.1 | length 15.1
  Bottom Layer w0.5: R3.1@20.935,18.645 20.961,18.619 R2.2 26.547,18.619 C2.1 29.72,18.74 VD1.1 ; R3.1 21.039,18.804 21.039,21.488 21.039,23.001 TP2.1
NetC3_1: C3.1 R6.1 TP5.1 U1.3 | length 17.8
  Top Layer w0.5: v1(16.401,11.19) 16.417,11.174 16.417,5.706 v1(16.434,5.69)
  Bottom Layer w0.5: R6.1@14.888,11.312 15.01,11.19 v1(16.401,11.19) U1.3 ; R6.1@14.905,11.481 R6.1 14.905,12.899 TP5.1 ; v1(16.434,5.69) 18.161,3.962 19.345,3.962 C3.1@19.37,3.937
NetC5_1: C5.1 DA1.4 R4.1 U1.8 | length 33.7
  Top Layer w0.8: v3(31.928,10.194) 41.14,10.194 44.679,6.655 DA1.4@51.079,6.655
  Bottom Layer w0.5: R4.1 21.544,6.403 23.938,6.403 C5.1@24.116,6.225 ; C5.1@24.492,6.575 24.619,6.702 24.619,8.6 24.719,8.7 24.769,8.65 30.384,8.65 v3(31.928,10.194)
NetC6_1: C6.1 TP6.1 VD3.2 VT2.2 | length 16.7
  Top Layer w1: TP6.1@10.49,30.632 13.106,33.249 v1(13.106,36.936)
  Bottom Layer w1: TP6.1 10.541,30.886 C6.1@13.106,30.886 ; VD3.2 13.106,27.829 C6.1@13.106,30.886 ; v1(13.106,36.936) VT2.2 ; C6.1 13.106,31.383 C6.1@13.106,30.886
NetC7_1: C7.1 R8.1 R10.2 U1.2 | length 42.1
  Top Layer w0.5: v1(18.426,9.92) 18.426,8.222 23.447,3.2 v1(26.111,3.2)
  Bottom Layer w0.5: R10.2 12.804,8.398 13.47,9.064 13.47,9.627 13.763,9.92 v1(18.426,9.92) U1.2 ; v1(26.111,3.2) 33.833,3.2 39.684,9.052 R8.1
NetC7_2: C7.2 R10.1 TP7.1 U1.1 | length 9.9
  Bottom Layer w0.5: TP7.1@14.831,3.607 R10.1@14.831,5.842 ; R10.1 14.905,8.608 14.861,8.653 19.703,8.653 U1.1
NetC8_1: C8.1 R4.2 U1.4 | length 13.4
  Top Layer w0.5: v1(17.473,6.514) 17.493,6.533 17.493,12.461 v1(17.512,12.48)
  Bottom Layer w0.5: v1(17.473,6.514) 19.109,6.514 R4.2 ; v1(17.512,12.48) 17.523,12.47 19.696,12.47 U1.4 ; U1.4@19.533,12.46 19.533,13.525 20.644,14.636 20.669,14.636 21.172,15.138 C8.1
NetC9_1: C9.1 R23.2 VD6.1 | length 6.2
  Bottom Layer w1: VD6.1 29.819,39.729 30.319,39.229 30.469,39.229 31.302,38.396 R23.2 ; R23.2@31.302,36.513 31.676,36.513 32.092,36.097 32.54,36.097 C9.1@32.753,36.31
NetC10_1: C10.1 L3.1 VD7.1 VD8.1 | length 34.9
  Top Layer w2: L3.1 64.582,41.848 65.082,41.348 65.082,40.963 v2(66.624,39.421)
  Bottom Layer w1.5: v2@66.393,39.502 71.786,39.502 77.431,33.857 77.431,32.387 C10.1 ; VD7.1@74.184,22.276 74.184,25.849 77.433,29.098 C10.1 ; VD8.1@74.498,32.605 VD8.1 76.68,32.36 ; C10.1@76.68,32.385 C10.1
NetC12_1: C12.1 D2.1 R21.1 TP15.1 U2.8 | length 32.7
  Top Layer w0.5: TP15.1@71.454,18.313 73.094,16.673 74.747,16.673 74.813,16.739 76.022,16.739 79.52,13.241 79.52,10.138 v1(78.141,8.758)
  Bottom Layer w0.5: U2.8 71.754,14.854 72.466,14.142 72.466,8.044 73.338,7.173 76.662,7.173 76.955,7.466 C12.1 77.056,8.758 79.01,8.758 79.112,8.86 R21.1@79.61,8.86
NetC13_1: C13.1 R15.1 R16.1 | length 18.6
  Top Layer w1: v1(8.661,43.358) 13.304,48 C13.1
  Bottom Layer w1: R16.1 8.612,33.676 8.612,37.059 R15.1@8.639,37.085 ; R15.1 8.661,37.081 v1(8.661,43.358)
NetC13_2: C13.2 R17.1 | length 3.3
  Top Layer w1: C13.2@20.433,47.796 C13.2@20.5,47.796
  Bottom Layer w1: C13.2 20.631,48 21.83,49.199 21.83,50.433 21.908,50.511 R17.1@21.996,50.511
NetC14_2: C14.2 Q2.2 R5.2 TP4.1 U1.7 VD2.1 VD3.1 | length 52.4
  Top Layer w0.5: v1(9.957,18.085) 17.018,18.085 v1(21.895,13.208)
  Top Layer w1: v1(27.102,10.058) 27.102,12.331 27.512,12.331 27.551,12.37 TP4.1@34.892,12.37 ; TP4.1 36.805,12.497 39.98,15.672 VD2.1
  Bottom Layer w0.5: VD3.1@12.003,23.379 12.003,22.672 12.233,22.442 12.233,20.95 12.586,20.597 R5.2 ; 13.708,20.498 13.758,20.449 13.923,20.449 Q2.2 ; v1(21.895,13.208) 21.895,11.887 23.862,9.92 U1.7 26.882,9.92 27.021,10.058 v1(27.102,10.058)
  Bottom Layer w1: v1(9.957,18.085) 9.957,19.314 11.136,20.493 12.634,20.493 R5.2 ; VD3.1 12.903,20.763 R5.2 ; 13.708,20.498 12.991,20.498 R5.2
NetD1_1: D1.1 R18.1 TP12.1 U2.2 | length 13.2
  Top Layer w0.5: TP12.1 77.648,19.634 D1.1
  Bottom Layer w0.5: U2.2 76.398,13.584 77.135,14.321 R18.1@78.913,14.321 ; TP12.1 77.482,15.751 78.408,14.825 78.608,14.825 78.913,14.52 R18.1@78.913,14.321 ; R18.1@79.107,14.321 R18.1@78.913,14.321
NetDA1_1: DA1.1 R22.1 TP17.1 | length 8.4
  Top Layer w0.5: DA1.1@60.419,6.589 60.632,6.802 62.487,6.802 63.602,7.917 TP17.1 TP17.1@63.649,7.998
  Bottom Layer w0.5: TP17.1 65.351,9.7 R22.1
NetDA1_3: DA1.3 R1.2 R8.2 | length 8.9
  Top Layer w0.8: v3(49.047,9.169) 49.06,9.182 50.92,9.182 DA1.3
  Bottom Layer w0.8: R8.2@43.699,7.001 R1.2 46.965,7.204 48.403,7.204 49.026,7.828 49.026,9.148 v3(49.047,9.169)
NetL1_1: L1.1 X1.2 | length 17.2
  Top Layer w2: v2(3.353,35.252) X1.2@3.353,35.147 ; X1.2@3.5,35 X1.2@3.353,35.147 ; L1.1@12.773,23.495 12.773,25.775 10.493,25.775 6.328,29.941 6.328,32.172 X1.2@3.353,35.147
NetL2_1: L2.1 T1.6 T1.7 | length 10
  Top Layer w2: T1.6@67.64,23.368 T1.6@67.777,23.368 ; T1.6@67.879,23.393 69.732,23.393 70.982,24.643 70.982,27.223 69.656,28.55 T1.7
NetQ1_1: Q1.1 Q2.3 R3.2 | length 4.4
  Bottom Layer w0.5: Q2.3 17.112,19.499 17.162,19.449 17.162,19.374 17.532,19.004 R3.2@18.888,19.004 ; Q1.1 18.838,20.993 18.888,20.943 R3.2@18.888,19.004 ; R3.2 18.888,18.854 R3.2@18.888,19.004
NetQ1_2: Q1.2 Q2.1 R5.1 TP3.1 | length 11
  Bottom Layer w0.5: TP3.1 TP3.1@12.773,16.196 ; R5.1@12.773,18.459 R5.1 14.708,18.495 14.762,18.549 14.912,18.549 14.962,18.599 15.937,19.574 15.937,20.91 17.921,22.893 Q1.2@18.725,22.893
  Bottom Layer w0.7: TP3.1@12.773,16.196 R5.1@12.773,18.459
NetR6_2: R6.2 R14.2 TP10.1 VT1.3 | length 70.2
  Top Layer w0.5: v1(31.42,16.942) 31.432,16.929 34.46,16.929 v1(34.472,16.916)
  Top Layer w1.5: R14.2@44.247,30.323 44.247,34.046 54.459,44.257 TP10.1@54.459,50.926 ; VT1.3@51.935,50.926 53.783,50.926 TP10.1@54.43,50.977
  Bottom Layer w0.5: R6.2 12.804,12.626 14.462,14.285 14.462,15.243 16.161,16.942 v1(31.42,16.942) ; v1(34.472,16.916) 44.196,26.64 R14.2@44.196,30.404
NetR7_1: R7.1 U1.6 | length 3.3
  Bottom Layer w0.5: U1.6 25.108,11.188 R7.1@28.371,11.188
NetR7_2: R7.2 R9.1 TP8.1 VD5.1 VT1.1 | length 48.7
  Top Layer w0.8: VD5.1@42.437,39.824 VD5.1
  Bottom Layer w0.8: R7.2 28.672,13.388 30.634,13.388 33.147,15.9 33.147,21.488 33.147,30.7 40.705,38.258 40.705,39.518 R9.1
  Bottom Layer w1: R9.1@41.09,39.771 41.84,39.771 VD5.1
  Bottom Layer w1.5: R9.1@40.954,39.767 42.485,39.767 VD5.1 ; VD5.1@42.539,39.721 47.646,39.721 51.841,43.916 51.841,45.769 51.883,45.811 VT1.1
NetR11_1: R11.1 R12.2 | length 2.7
  Bottom Layer w0.5: R11.1@15.418,53.502 R11.1@15.43,53.515
  Bottom Layer w1: R12.2 R11.1@15.109,53.518
NetR12_1: R12.1 R13.2 | length 2.7
  Bottom Layer w1: R13.2 R12.1@12.213,50.318
NetR13_1: R13.1 R15.2 VT2.3 | length 19.1
  Bottom Layer w0.7: R13.1 9.383,53.375 8.282,53.375 7.671,52.764 7.671,46.863 10.76,43.774 VT2.3@10.76,39.47 ; R15.2@10.806,37.124 VT2.3
NetR16_2: R16.2 VT2.1 | length 8.6
  Bottom Layer w0.5: R16.2 10.668,33.78 12.225,35.338 13.824,35.338 15.284,36.798 15.284,39.285 VT2.1@15.367,39.368
NetR19_1: R19.1 R20.1 TP13.1 U2.3 | length 15.1
  Top Layer w0.5: R20.1 71.72,12.027 TP13.1
  Bottom Layer w0.5: U2.3 77.248,12.314 77.73,11.831 R19.1@79.346,11.831 ; R19.1@79.022,11.862 R19.1@79.276,11.608
NetR22_2: R22.2 R26.1 U2.1 | length 11.9
  Bottom Layer w0.5: R22.2 67.453,14.7 67.806,15.053 67.957,15.053 69.312,16.408 71.552,16.408 73.106,14.854 U2.1
NetR24_2: R24.2 VD4.2 | length 2.5
  Top Layer w0.5: VD4.2 79.091,35.086 79.091,37.546 R24.2@79.112,37.567
NetR26_2: R26.2 VD9.2 | length 2.6
  Top Layer w0.5: VD9.2 63.157,13.566 64.135,14.543 v5(64.135,14.56)
  Bottom Layer w0.5: v5(64.135,14.56) 65.34,14.56 R26.2
NetT1_2: T1.2 TP9.1 VD6.2 VT1.2 | length 91.1
  Top Layer w1.5: VT1.2@31.69,48.438 VT1.2@51.883,48.438 ; TP9.1@41.402,35.229 41.402,28.488 42.281,27.61 45.5,27.61 46.379,28.488 46.379,28.55 T1.2
  Bottom Layer w1.5: VT1.2@31.69,48.438 32.144,48.892 51.099,48.892 51.553,48.438 51.883,48.438 51.92,48.4 53.538,48.4 54.459,47.48 54.459,42.698 48.565,36.805 42.901,36.805 TP9.1
  Bottom Layer w2: VD6.2 25.519,46.22 27.618,48.319 31.608,48.319 VT1.2@31.69,48.4
NetT1_3: T1.3 TP1.1 VD1.2 | length 28.5
  Top Layer w1: TP1.1 27.381,22.403 30.866,18.918 35.275,18.918 39.933,23.576 T1.3@47.261,23.576
  Bottom Layer w1: TP1.1@27.312,24.507 27.503,24.316 28.295,24.316 29.656,22.954 VD1.2
NetT1_5: T1.5 VD7.2 | length 5.1
  Top Layer w2: T1.5@67.005,19.634 T1.5@69.08,19.634
  Bottom Layer w1: VD7.2@70.141,22.058 VD7.2
  Bottom Layer w2: v2(69.111,19.603) 70.241,20.733 VD7.2@70.241,22.058
NetT1_8: T1.8 VD8.2 | length 3.2
  Top Layer w2: T1.8@67.259,32.233 T1.8@68.403,32.233
  Bottom Layer w1: VD8.2@70.38,32.297 VD8.2
  Bottom Layer w2: v2(68.471,32.164) 70.248,32.164 VD8.2@70.38,32.297
pads on no net: U2.5 U2.6 U2.7 VT2.4

## Polygon pours and split planes (outlines as drawn)
GND_1 on Top Layer "NONET_L-01_P-001" (solid, remove dead copper, pour order 0): 57.099,54.966 56.998,54.864 56.998,-0.025 83,-0.025 83,8.008 83,54.992
GND_1 on Bottom Layer "NONET_L-01_P-001" (solid, pour order 1): 57.099,54.933 56.998,54.832 56.998,-0.058 83,-0.058 83,7.976 83,54.96

## Keep-outs
Keep-Out Layer:
  lines w0.254: 0.168,23.5 5.001,23.5 5,31.5 0.17,31.5 ; 0.17,23.5 0.17,16.5 5,16.5 5,13.544 5,13.5 0.17,13.5 0.17,6.5 4.991,6.5 ; 0.17,31.51 0.17,38.5 5,38.5 ; 5,6.5 5,0 6.283,0 ; 5,38.51 5,41.5 0.17,41.5 0.17,48.5 5,48.5 5,55 80,55 cw(c80,52) 83,52 ; 6.299,0 80.009,0 ; 54.253,26.192 54.253,40.092 ; 54.255,10.163 ccw(c55.255,10.163) 56.255,10.163 ; 54.255,10.122 54.255,21.254 54.255,21.262 ; 54.255,21.21 54.255,28.631 ; 54.255,40.113 cw(c55.255,40.113) 56.255,40.113 ; 56.255,10.249 56.255,22.19 56.255,40.113 ; 80,-0.017 ccw(c80,2.983) 83,2.983 ; 83,3 83,51.968

## Other copper
Top Layer:
  rectangle net GND_1: 73.859,21.949 78.141,23.52
  rectangle net GND_1: 74.656,28.55 78.334,30.277
  rectangle net GND_1: 72.18,42.597 75.157,45.212
  pour cut-out: 69.85,35.759 69.85,16.211 45.161,16.251 45.161,35.759
Bottom Layer:
  rectangle net GND_1: 72.18,42.781 75.057,45.187
  rectangle net GND: 20.941,2.582 25.071,4.828
  pour cut-out: 45.009,36.017 45.009,16.51 69.672,16.51 69.672,36.017

## Silkscreen, mask and mechanical layers (free items; w line width, h text height)
Top Overlay:
  lines w0.254: 6.731,0.432 6.731,54.534
  text "GND       220V" at 6.909,46.05 h1 r270
  text "20V      GND" at 7.163,20.511 h1 r270
Bottom Overlay:
  text "220V      GND" at 6.909,33.384 h1 r270
  text "b" at 56.444,20.066 h12 r270
  text "GND       20V" at 7.163,7.315 h1 r270

## Dimensions
83,54.992 to 83,-0.025 on Top Layer
5,55 to 83,54.992 on Top Layer